# KiCad board Si5351ABreakout_panel.kicad_pcb (continued)
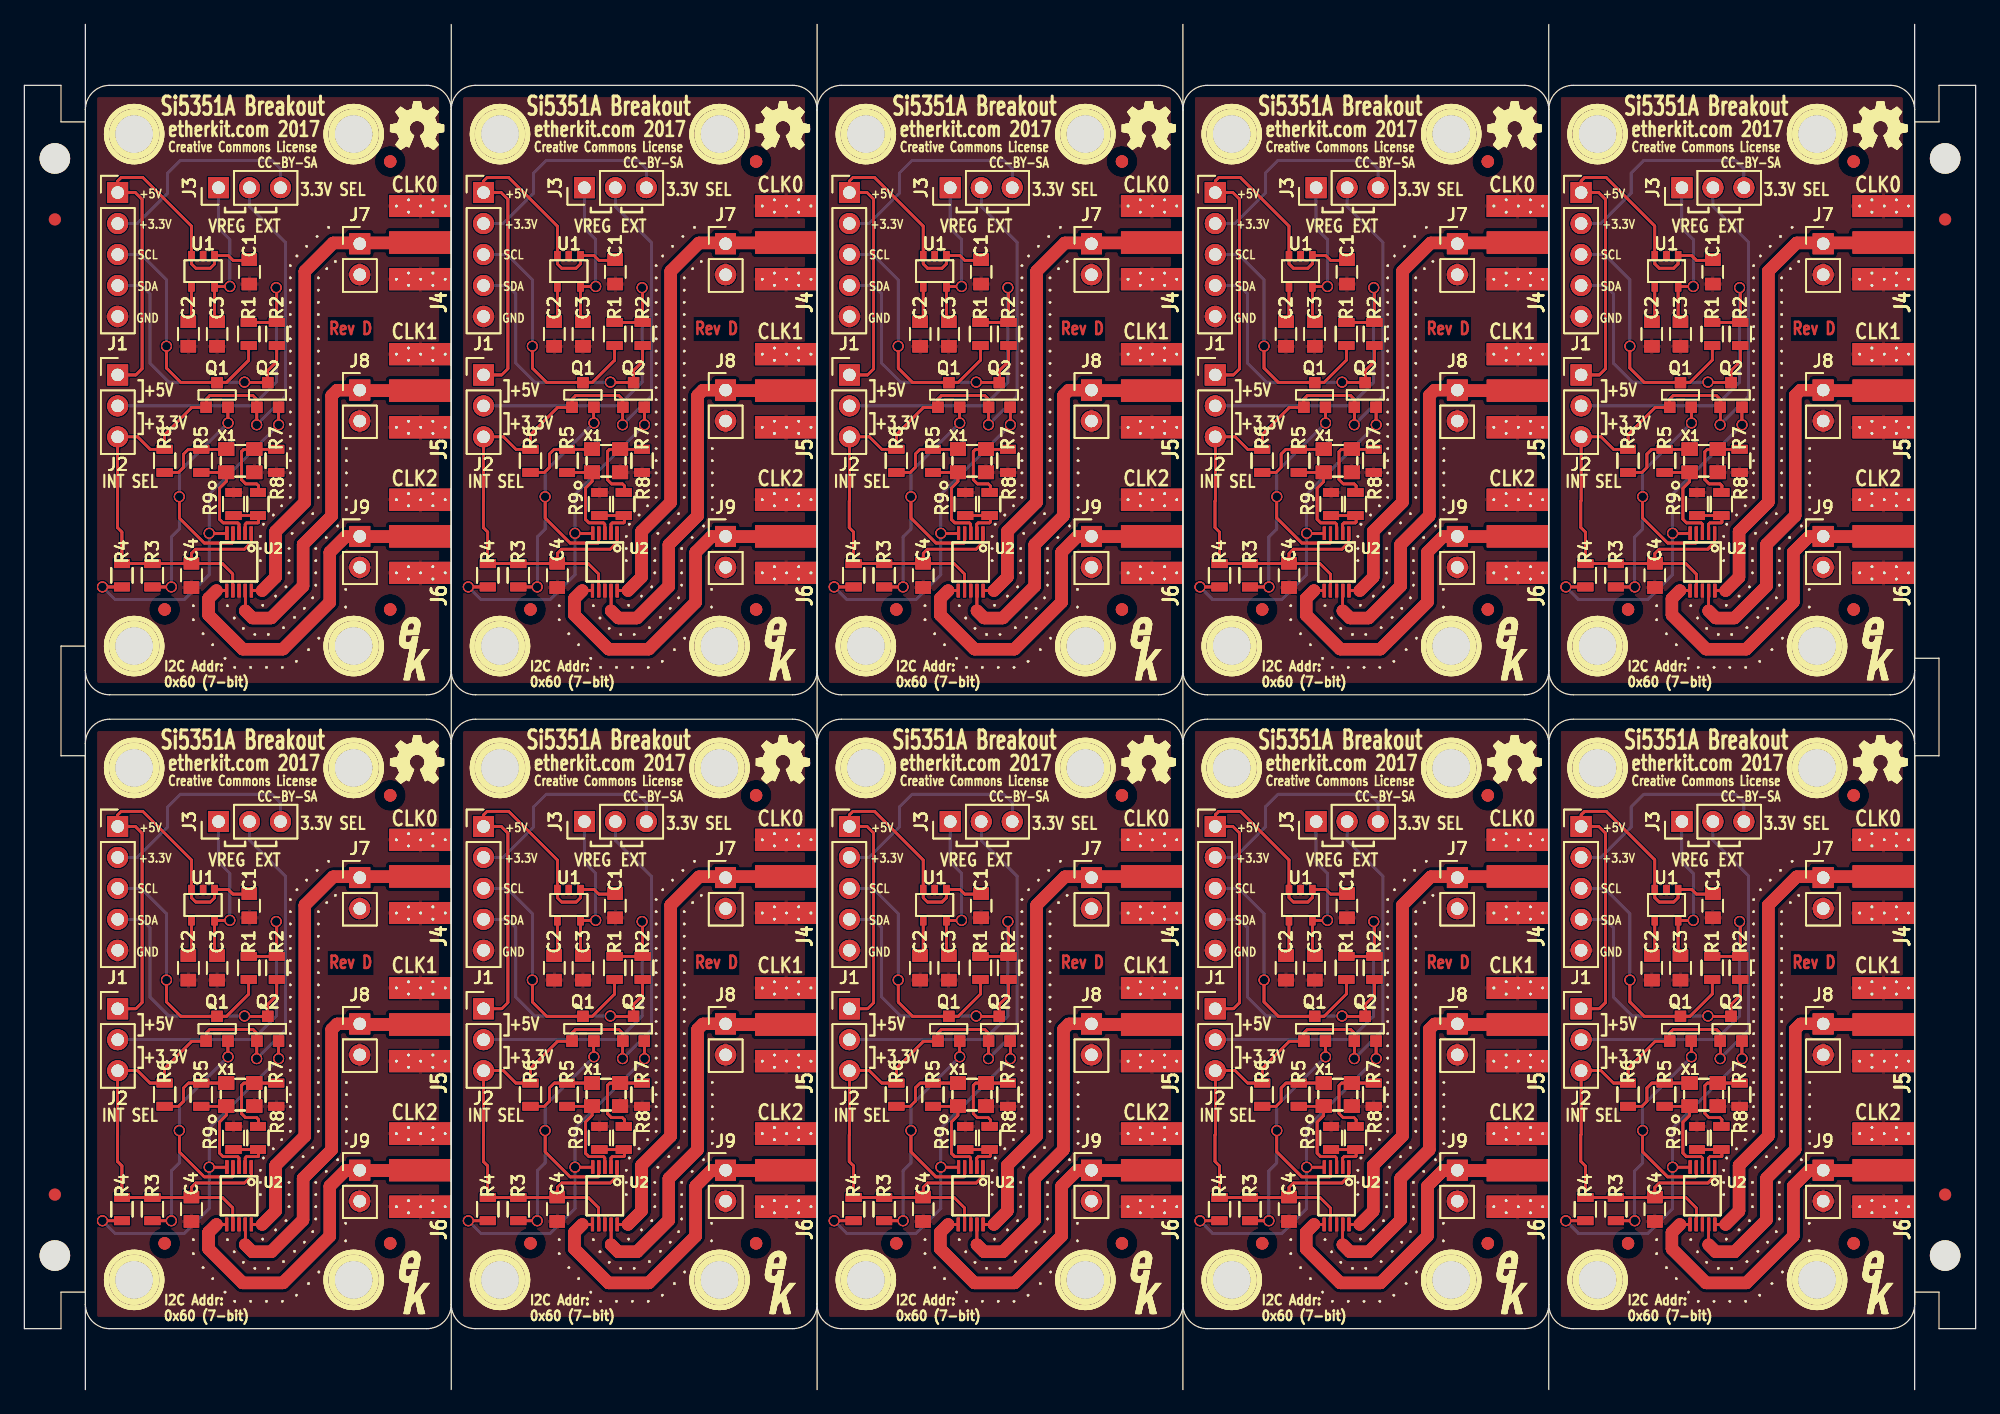
[diagram p0: board, top side]
## Routing (per net, layer and track width the routed paths; a pad name or vN(x,y) marks a point on that pad's centre or on a via; arc(x,y) is an arc through that point) (continued)
Net-(Q2-Pad1): length 1167.4
  Top w0.2: 6.4,65.85 v1(6.4,65.85) ; 6.4,65.85 8,65.85 ; 6.4,65.85 v1(6.4,65.85) ; 6.4,65.85 v1(6.4,65.85) ; 6.4,65.85 8,65.85 ; 6.4,65.85 8,65.85 ; 6.4,65.85 v1(6.4,65.85) ; 6.4,65.85 8,65.85 ; 36.4,65.85 v1(36.4,65.85) ; 36.4,65.85 38,65.85 ; 36.4,65.85 v1(36.4,65.85) ; 36.4,65.85 v1(36.4,65.85) ; 36.4,65.85 38,65.85 ; 36.4,65.85 38,65.85 ; 36.4,65.85 v1(36.4,65.85) ; 36.4,65.85 38,65.85 ; 66.4,65.85 v1(66.4,65.85) ; 66.4,65.85 68,65.85 ; 66.4,65.85 v1(66.4,65.85) ; 66.4,65.85 v1(66.4,65.85) ; 66.4,65.85 68,65.85 ; 66.4,65.85 68,65.85 ; 66.4,65.85 v1(66.4,65.85) ; 66.4,65.85 68,65.85 ; 96.4,65.85 v1(96.4,65.85) ; 96.4,65.85 98,65.85 ; 96.4,65.85 v1(96.4,65.85) ; 96.4,65.85 v1(96.4,65.85) ; 96.4,65.85 98,65.85 ; 96.4,65.85 98,65.85 ; 96.4,65.85 v1(96.4,65.85) ; 96.4,65.85 98,65.85 ; 126.4,65.85 v1(126.4,65.85) ; 126.4,65.85 128,65.85 ; 126.4,65.85 v1(126.4,65.85) ; 126.4,65.85 v1(126.4,65.85) ; 126.4,65.85 128,65.85 ; 126.4,65.85 128,65.85 ; 126.4,65.85 v1(126.4,65.85) ; 126.4,65.85 128,65.85 ; v1(15.15,70.25) U2.5 ; v1(15.15,70.25) U2.5 ; v1(15.15,70.25) U2.5 ; v1(15.15,70.25) U2.5 ; v1(45.15,70.25) U2#2.5 ; v1(45.15,70.25) U2#2.5 ; v1(45.15,70.25) U2#2.5 ; v1(45.15,70.25) U2#2.5 ; v1(75.15,70.25) U2#3.5 ; v1(75.15,70.25) U2#3.5 ; v1(75.15,70.25) U2#3.5 ; v1(75.15,70.25) U2#3.5 ; v1(105.15,70.25) U2#4.5 ; v1(105.15,70.25) U2#4.5 ; v1(105.15,70.25) U2#4.5 ; v1(105.15,70.25) U2#4.5 ; v1(135.15,70.25) U2#5.5 ; v1(135.15,70.25) U2#5.5 ; v1(135.15,70.25) U2#5.5 ; v1(135.15,70.25) U2#5.5 ; 20.84,79.16 v1(20.85,79.15) ; 20.84,79.16 Q2.1 ; 20.84,79.16 v1(20.85,79.15) ; 20.84,79.16 v1(20.85,79.15) ; 20.84,79.16 Q2.1 ; 20.84,79.16 Q2.1 ; 20.84,79.16 v1(20.85,79.15) ; 20.84,79.16 Q2.1 ; 50.84,79.16 v1(50.85,79.15) ; 50.84,79.16 Q2#2.1 ; 50.84,79.16 v1(50.85,79.15) ; 50.84,79.16 v1(50.85,79.15) ; 50.84,79.16 Q2#2.1 ; 50.84,79.16 Q2#2.1 ; 50.84,79.16 v1(50.85,79.15) ; 50.84,79.16 Q2#2.1 ; 80.84,79.16 v1(80.85,79.15) ; 80.84,79.16 Q2#3.1 ; 80.84,79.16 v1(80.85,79.15) ; 80.84,79.16 v1(80.85,79.15) ; 80.84,79.16 Q2#3.1 ; 80.84,79.16 Q2#3.1 ; 80.84,79.16 v1(80.85,79.15) ; 80.84,79.16 Q2#3.1 ; 110.84,79.16 v1(110.85,79.15) ; 110.84,79.16 Q2#4.1 ; 110.84,79.16 v1(110.85,79.15) ; 110.84,79.16 v1(110.85,79.15) ; 110.84,79.16 Q2#4.1 ; 110.84,79.16 Q2#4.1 ; 110.84,79.16 v1(110.85,79.15) ; 110.84,79.16 Q2#4.1 ; 140.84,79.16 v1(140.85,79.15) ; 140.84,79.16 Q2#5.1 ; 140.84,79.16 v1(140.85,79.15) ; 140.84,79.16 v1(140.85,79.15) ; 140.84,79.16 Q2#5.1 ; 140.84,79.16 Q2#5.1 ; 140.84,79.16 v1(140.85,79.15) ; 140.84,79.16 Q2#5.1 ; 126.4,13.85 v1(126.4,13.85) ; 126.4,13.85 v1(126.4,13.85) ; 126.4,13.85 v1(126.4,13.85) ; 126.4,13.85 v1(126.4,13.85) ; 126.4,13.85 128,13.85 ; 126.4,13.85 128,13.85 ; 126.4,13.85 128,13.85 ; 126.4,13.85 128,13.85 ; v1(135.15,18.25) U2#37.5 ; v1(135.15,18.25) U2#37.5 ; v1(135.15,18.25) U2#37.5 ; v1(135.15,18.25) U2#37.5 ; Q2#33.1 140.84,27.16 ; Q2#33.1 140.84,27.16 ; Q2#33.1 140.84,27.16 ; Q2#33.1 140.84,27.16 ; 140.84,27.16 v1(140.85,27.15) ; 140.84,27.16 v1(140.85,27.15) ; 140.84,27.16 v1(140.85,27.15) ; 140.84,27.16 v1(140.85,27.15) ; Q2#37.1 110.84,27.16 ; Q2#37.1 110.84,27.16 ; Q2#37.1 110.84,27.16 ; Q2#37.1 110.84,27.16 ; 110.84,27.16 v1(110.85,27.15) ; 110.84,27.16 v1(110.85,27.15) ; 110.84,27.16 v1(110.85,27.15) ; 110.84,27.16 v1(110.85,27.15) ; 98,13.85 96.4,13.85 ; 98,13.85 96.4,13.85 ; 98,13.85 96.4,13.85 ; 98,13.85 96.4,13.85 ; 96.4,13.85 v1(96.4,13.85) ; 96.4,13.85 v1(96.4,13.85) ; 96.4,13.85 v1(96.4,13.85) ; 96.4,13.85 v1(96.4,13.85) ; v1(105.15,18.25) U2#33.5 ; v1(105.15,18.25) U2#33.5 ; v1(105.15,18.25) U2#33.5 ; v1(105.15,18.25) U2#33.5 ; v1(75.15,18.25) U2#21.5 ; v1(75.15,18.25) U2#21.5 ; v1(75.15,18.25) U2#21.5 ; v1(75.15,18.25) U2#21.5 ; 80.84,27.16 v1(80.85,27.15) ; 80.84,27.16 Q2#21.1 ; 80.84,27.16 Q2#21.1 ; 80.84,27.16 Q2#21.1 ; 80.84,27.16 Q2#21.1 ; 80.84,27.16 v1(80.85,27.15) ; 80.84,27.16 v1(80.85,27.15) ; 80.84,27.16 v1(80.85,27.15) ; 50.84,27.16 v1(50.85,27.15) ; 50.84,27.16 v1(50.85,27.15) ; 50.84,27.16 Q2#29.1 ; 50.84,27.16 Q2#29.1 ; 50.84,27.16 v1(50.85,27.15) ; 50.84,27.16 Q2#29.1 ; 50.84,27.16 Q2#29.1 ; 50.84,27.16 v1(50.85,27.15) ; 68,13.85 66.4,13.85 ; 68,13.85 66.4,13.85 ; 68,13.85 66.4,13.85 ; 68,13.85 66.4,13.85 ; 66.4,13.85 v1(66.4,13.85) ; 66.4,13.85 v1(66.4,13.85) ; 66.4,13.85 v1(66.4,13.85) ; 66.4,13.85 v1(66.4,13.85) ; v1(45.15,18.25) U2#26.5 ; v1(45.15,18.25) U2#26.5 ; v1(45.15,18.25) U2#26.5 ; v1(45.15,18.25) U2#26.5 ; Q2#23.1 20.84,27.16 ; Q2#23.1 20.84,27.16 ; Q2#23.1 20.84,27.16 ; Q2#23.1 20.84,27.16 ; 20.84,27.16 v1(20.85,27.15) ; 20.84,27.16 v1(20.85,27.15) ; 20.84,27.16 v1(20.85,27.15) ; 20.84,27.16 v1(20.85,27.15) ; 38,13.85 36.4,13.85 ; 38,13.85 36.4,13.85 ; 38,13.85 36.4,13.85 ; 38,13.85 36.4,13.85 ; 36.4,13.85 v1(36.4,13.85) ; 36.4,13.85 v1(36.4,13.85) ; 36.4,13.85 v1(36.4,13.85) ; 36.4,13.85 v1(36.4,13.85) ; 8,13.85 6.4,13.85 ; 8,13.85 6.4,13.85 ; 8,13.85 6.4,13.85 ; 8,13.85 6.4,13.85 ; 6.4,13.85 v1(6.4,13.85) ; 6.4,13.85 v1(6.4,13.85) ; 6.4,13.85 v1(6.4,13.85) ; 6.4,13.85 v1(6.4,13.85) ; v1(15.15,18.25) U2#25.5 ; v1(15.15,18.25) U2#25.5 ; v1(15.15,18.25) U2#25.5 ; v1(15.15,18.25) U2#25.5
  Bottom w0.2: v1(6.4,65.85) 7.45,64.8 ; v1(6.4,65.85) 7.45,64.8 ; v1(6.4,65.85) 7.45,64.8 ; v1(6.4,65.85) 7.45,64.8 ; 7.45,64.8 13.1,64.8 ; 7.45,64.8 13.1,64.8 ; 7.45,64.8 13.1,64.8 ; 7.45,64.8 13.1,64.8 ; v1(36.4,65.85) 37.45,64.8 ; v1(36.4,65.85) 37.45,64.8 ; v1(36.4,65.85) 37.45,64.8 ; v1(36.4,65.85) 37.45,64.8 ; 37.45,64.8 43.1,64.8 ; 37.45,64.8 43.1,64.8 ; 37.45,64.8 43.1,64.8 ; 37.45,64.8 43.1,64.8 ; v1(66.4,65.85) 67.45,64.8 ; v1(66.4,65.85) 67.45,64.8 ; v1(66.4,65.85) 67.45,64.8 ; v1(66.4,65.85) 67.45,64.8 ; 67.45,64.8 73.1,64.8 ; 67.45,64.8 73.1,64.8 ; 67.45,64.8 73.1,64.8 ; 67.45,64.8 73.1,64.8 ; v1(96.4,65.85) 97.45,64.8 ; v1(96.4,65.85) 97.45,64.8 ; v1(96.4,65.85) 97.45,64.8 ; v1(96.4,65.85) 97.45,64.8 ; 97.45,64.8 103.1,64.8 ; 97.45,64.8 103.1,64.8 ; 97.45,64.8 103.1,64.8 ; 97.45,64.8 103.1,64.8 ; v1(126.4,65.85) 127.45,64.8 ; v1(126.4,65.85) 127.45,64.8 ; v1(126.4,65.85) 127.45,64.8 ; v1(126.4,65.85) 127.45,64.8 ; 127.45,64.8 133.1,64.8 ; 127.45,64.8 133.1,64.8 ; 127.45,64.8 133.1,64.8 ; 127.45,64.8 133.1,64.8 ; 13.1,64.8 15.15,66.85 ; 13.1,64.8 15.15,66.85 ; 13.1,64.8 15.15,66.85 ; 13.1,64.8 15.15,66.85 ; 43.1,64.8 45.15,66.85 ; 43.1,64.8 45.15,66.85 ; 43.1,64.8 45.15,66.85 ; 43.1,64.8 45.15,66.85 ; 73.1,64.8 75.15,66.85 ; 73.1,64.8 75.15,66.85 ; 73.1,64.8 75.15,66.85 ; 73.1,64.8 75.15,66.85 ; 103.1,64.8 105.15,66.85 ; 103.1,64.8 105.15,66.85 ; 103.1,64.8 105.15,66.85 ; 103.1,64.8 105.15,66.85 ; 133.1,64.8 135.15,66.85 ; 133.1,64.8 135.15,66.85 ; 133.1,64.8 135.15,66.85 ; 133.1,64.8 135.15,66.85 ; 15.15,66.85 v1(15.15,70.25) ; 15.15,66.85 v1(15.15,70.25) ; 15.15,66.85 v1(15.15,70.25) ; 15.15,66.85 v1(15.15,70.25) ; 45.15,66.85 v1(45.15,70.25) ; 45.15,66.85 v1(45.15,70.25) ; 45.15,66.85 v1(45.15,70.25) ; 45.15,66.85 v1(45.15,70.25) ; 75.15,66.85 v1(75.15,70.25) ; 75.15,66.85 v1(75.15,70.25) ; 75.15,66.85 v1(75.15,70.25) ; 75.15,66.85 v1(75.15,70.25) ; 105.15,66.85 v1(105.15,70.25) ; 105.15,66.85 v1(105.15,70.25) ; 105.15,66.85 v1(105.15,70.25) ; 105.15,66.85 v1(105.15,70.25) ; 135.15,66.85 v1(135.15,70.25) ; 135.15,66.85 v1(135.15,70.25) ; 135.15,66.85 v1(135.15,70.25) ; 135.15,66.85 v1(135.15,70.25) ; v1(15.15,70.25) 15.15,73.45 ; v1(15.15,70.25) 15.15,73.45 ; v1(15.15,70.25) 15.15,73.45 ; v1(15.15,70.25) 15.15,73.45 ; v1(45.15,70.25) 45.15,73.45 ; v1(45.15,70.25) 45.15,73.45 ; v1(45.15,70.25) 45.15,73.45 ; v1(45.15,70.25) 45.15,73.45 ; v1(75.15,70.25) 75.15,73.45 ; v1(75.15,70.25) 75.15,73.45 ; v1(75.15,70.25) 75.15,73.45 ; v1(75.15,70.25) 75.15,73.45 ; v1(105.15,70.25) 105.15,73.45 ; v1(105.15,70.25) 105.15,73.45 ; v1(105.15,70.25) 105.15,73.45 ; v1(105.15,70.25) 105.15,73.45 ; v1(135.15,70.25) 135.15,73.45 ; v1(135.15,70.25) 135.15,73.45 ; v1(135.15,70.25) 135.15,73.45 ; v1(135.15,70.25) 135.15,73.45 ; v1(20.85,79.15) 15.15,73.45 ; v1(20.85,79.15) 15.15,73.45 ; v1(20.85,79.15) 15.15,73.45 ; v1(20.85,79.15) 15.15,73.45 ; v1(50.85,79.15) 45.15,73.45 ; v1(50.85,79.15) 45.15,73.45 ; v1(50.85,79.15) 45.15,73.45 ; v1(50.85,79.15) 45.15,73.45 ; v1(80.85,79.15) 75.15,73.45 ; v1(80.85,79.15) 75.15,73.45 ; v1(80.85,79.15) 75.15,73.45 ; v1(80.85,79.15) 75.15,73.45 ; v1(110.85,79.15) 105.15,73.45 ; v1(110.85,79.15) 105.15,73.45 ; v1(110.85,79.15) 105.15,73.45 ; v1(110.85,79.15) 105.15,73.45 ; v1(140.85,79.15) 135.15,73.45 ; v1(140.85,79.15) 135.15,73.45 ; v1(140.85,79.15) 135.15,73.45 ; v1(140.85,79.15) 135.15,73.45 ; v1(126.4,13.85) 127.45,12.8 ; v1(126.4,13.85) 127.45,12.8 ; v1(126.4,13.85) 127.45,12.8 ; v1(126.4,13.85) 127.45,12.8 ; 127.45,12.8 133.1,12.8 ; 127.45,12.8 133.1,12.8 ; 127.45,12.8 133.1,12.8 ; 127.45,12.8 133.1,12.8 ; 133.1,12.8 135.15,14.85 ; 133.1,12.8 135.15,14.85 ; 133.1,12.8 135.15,14.85 ; 133.1,12.8 135.15,14.85 ; 135.15,14.85 v1(135.15,18.25) ; 135.15,14.85 v1(135.15,18.25) ; 135.15,14.85 v1(135.15,18.25) ; 135.15,14.85 v1(135.15,18.25) ; v1(135.15,18.25) 135.15,21.45 ; v1(135.15,18.25) 135.15,21.45 ; v1(135.15,18.25) 135.15,21.45 ; v1(135.15,18.25) 135.15,21.45 ; v1(140.85,27.15) 135.15,21.45 ; v1(140.85,27.15) 135.15,21.45 ; v1(140.85,27.15) 135.15,21.45 ; v1(140.85,27.15) 135.15,21.45 ; 103.1,12.8 105.15,14.85 ; 103.1,12.8 105.15,14.85 ; 103.1,12.8 105.15,14.85 ; 103.1,12.8 105.15,14.85 ; 103.1,12.8 97.45,12.8 ; 103.1,12.8 97.45,12.8 ; 103.1,12.8 97.45,12.8 ; 103.1,12.8 97.45,12.8 ; 105.15,14.85 v1(105.15,18.25) ; 105.15,14.85 v1(105.15,18.25) ; 105.15,14.85 v1(105.15,18.25) ; 105.15,14.85 v1(105.15,18.25) ; 97.45,12.8 v1(96.4,13.85) ; 97.45,12.8 v1(96.4,13.85) ; 97.45,12.8 v1(96.4,13.85) ; 97.45,12.8 v1(96.4,13.85) ; v1(105.15,18.25) 105.15,21.45 ; v1(105.15,18.25) 105.15,21.45 ; v1(105.15,18.25) 105.15,21.45 ; v1(105.15,18.25) 105.15,21.45 ; v1(110.85,27.15) 105.15,21.45 ; v1(110.85,27.15) 105.15,21.45 ; v1(110.85,27.15) 105.15,21.45 ; v1(110.85,27.15) 105.15,21.45 ; 67.45,12.8 73.1,12.8 ; 67.45,12.8 73.1,12.8 ; 67.45,12.8 73.1,12.8 ; 67.45,12.8 73.1,12.8 ; 67.45,12.8 v1(66.4,13.85) ; 67.45,12.8 v1(66.4,13.85) ; 67.45,12.8 v1(66.4,13.85) ; 67.45,12.8 v1(66.4,13.85) ; 73.1,12.8 75.15,14.85 ; 73.1,12.8 75.15,14.85 ; 73.1,12.8 75.15,14.85 ; 73.1,12.8 75.15,14.85 ; 75.15,14.85 v1(75.15,18.25) ; 75.15,14.85 v1(75.15,18.25) ; 75.15,14.85 v1(75.15,18.25) ; 75.15,14.85 v1(75.15,18.25) ; v1(75.15,18.25) 75.15,21.45 ; v1(75.15,18.25) 75.15,21.45 ; v1(75.15,18.25) 75.15,21.45 ; v1(75.15,18.25) 75.15,21.45 ; 75.15,21.45 v1(80.85,27.15) ; 75.15,21.45 v1(80.85,27.15) ; 75.15,21.45 v1(80.85,27.15) ; 75.15,21.45 v1(80.85,27.15) ; 45.15,14.85 v1(45.15,18.25) ; 45.15,14.85 43.1,12.8 ; 45.15,14.85 43.1,12.8 ; 45.15,14.85 v1(45.15,18.25) ; 45.15,14.85 43.1,12.8 ; 45.15,14.85 v1(45.15,18.25) ; 45.15,14.85 v1(45.15,18.25) ; 45.15,14.85 43.1,12.8 ; v1(45.15,18.25) 45.15,21.45 ; v1(45.15,18.25) 45.15,21.45 ; v1(45.15,18.25) 45.15,21.45 ; v1(45.15,18.25) 45.15,21.45 ; 43.1,12.8 37.45,12.8 ; 43.1,12.8 37.45,12.8 ; 43.1,12.8 37.45,12.8 ; 43.1,12.8 37.45,12.8 ; 45.15,21.45 v1(50.85,27.15) ; 45.15,21.45 v1(50.85,27.15) ; 45.15,21.45 v1(50.85,27.15) ; 45.15,21.45 v1(50.85,27.15) ; 37.45,12.8 v1(36.4,13.85) ; 37.45,12.8 v1(36.4,13.85) ; 37.45,12.8 v1(36.4,13.85) ; 37.45,12.8 v1(36.4,13.85) ; 7.45,12.8 13.1,12.8 ; 7.45,12.8 v1(6.4,13.85) ; 7.45,12.8 13.1,12.8 ; 7.45,12.8 13.1,12.8 ; 7.45,12.8 v1(6.4,13.85) ; 7.45,12.8 v1(6.4,13.85) ; 7.45,12.8 13.1,12.8 ; 7.45,12.8 v1(6.4,13.85) ; 13.1,12.8 15.15,14.85 ; 13.1,12.8 15.15,14.85 ; 13.1,12.8 15.15,14.85 ; 13.1,12.8 15.15,14.85 ; 15.15,14.85 v1(15.15,18.25) ; 15.15,14.85 v1(15.15,18.25) ; 15.15,14.85 v1(15.15,18.25) ; 15.15,14.85 v1(15.15,18.25) ; v1(15.15,18.25) 15.15,21.45 ; v1(15.15,18.25) 15.15,21.45 ; v1(15.15,18.25) 15.15,21.45 ; v1(15.15,18.25) 15.15,21.45 ; 15.15,21.45 v1(20.85,27.15) ; 15.15,21.45 v1(20.85,27.15) ; 15.15,21.45 v1(20.85,27.15) ; 15.15,21.45 v1(20.85,27.15)
Net-(R5-Pad1): length 259.3
  Top w0.2: 12.65,75.25 13.05,75.65 ; 12.65,75.25 R6.2 ; 12.65,75.25 13.05,75.65 ; 12.65,75.25 13.05,75.65 ; 12.65,75.25 R6.2 ; 12.65,75.25 R6.2 ; 12.65,75.25 13.05,75.65 ; 12.65,75.25 R6.2 ; 13.05,75.65 13.05,76.75 ; 13.05,75.65 13.05,76.75 ; 13.05,75.65 13.05,76.75 ; 13.05,75.65 13.05,76.75 ; 42.65,75.25 43.05,75.65 ; 42.65,75.25 R6#2.2 ; 42.65,75.25 43.05,75.65 ; 42.65,75.25 43.05,75.65 ; 42.65,75.25 R6#2.2 ; 42.65,75.25 R6#2.2 ; 42.65,75.25 43.05,75.65 ; 42.65,75.25 R6#2.2 ; 43.05,75.65 43.05,76.75 ; 43.05,75.65 43.05,76.75 ; 43.05,75.65 43.05,76.75 ; 43.05,75.65 43.05,76.75 ; 72.65,75.25 73.05,75.65 ; 72.65,75.25 R6#3.2 ; 72.65,75.25 73.05,75.65 ; 72.65,75.25 73.05,75.65 ; 72.65,75.25 R6#3.2 ; 72.65,75.25 R6#3.2 ; 72.65,75.25 73.05,75.65 ; 72.65,75.25 R6#3.2 ; 73.05,75.65 73.05,76.75 ; 73.05,75.65 73.05,76.75 ; 73.05,75.65 73.05,76.75 ; 73.05,75.65 73.05,76.75 ; 102.65,75.25 103.05,75.65 ; 102.65,75.25 R6#4.2 ; 102.65,75.25 103.05,75.65 ; 102.65,75.25 103.05,75.65 ; 102.65,75.25 R6#4.2 ; 102.65,75.25 R6#4.2 ; 102.65,75.25 103.05,75.65 ; 102.65,75.25 R6#4.2 ; 103.05,75.65 103.05,76.75 ; 103.05,75.65 103.05,76.75 ; 103.05,75.65 103.05,76.75 ; 103.05,75.65 103.05,76.75 ; 132.65,75.25 133.05,75.65 ; 132.65,75.25 R6#5.2 ; 132.65,75.25 133.05,75.65 ; 132.65,75.25 133.05,75.65 ; 132.65,75.25 R6#5.2 ; 132.65,75.25 R6#5.2 ; 132.65,75.25 133.05,75.65 ; 132.65,75.25 R6#5.2 ; 133.05,75.65 133.05,76.75 ; 133.05,75.65 133.05,76.75 ; 133.05,75.65 133.05,76.75 ; 133.05,75.65 133.05,76.75 ; 13.05,76.75 13.45,77.15 ; 13.05,76.75 13.45,77.15 ; 13.05,76.75 13.45,77.15 ; 13.05,76.75 13.45,77.15 ; 43.05,76.75 43.45,77.15 ; 43.05,76.75 43.45,77.15 ; 43.05,76.75 43.45,77.15 ; 43.05,76.75 43.45,77.15 ; 73.05,76.75 73.45,77.15 ; 73.05,76.75 73.45,77.15 ; 73.05,76.75 73.45,77.15 ; 73.05,76.75 73.45,77.15 ; 103.05,76.75 103.45,77.15 ; 103.05,76.75 103.45,77.15 ; 103.05,76.75 103.45,77.15 ; 103.05,76.75 103.45,77.15 ; 133.05,76.75 133.45,77.15 ; 133.05,76.75 133.45,77.15 ; 133.05,76.75 133.45,77.15 ; 133.05,76.75 133.45,77.15 ; 13.45,77.15 R5.1 ; 13.45,77.15 R5.1 ; 13.45,77.15 R5.1 ; 13.45,77.15 R5.1 ; 43.45,77.15 R5#2.1 ; 43.45,77.15 R5#2.1 ; 43.45,77.15 R5#2.1 ; 43.45,77.15 R5#2.1 ; 73.45,77.15 R5#3.1 ; 73.45,77.15 R5#3.1 ; 73.45,77.15 R5#3.1 ; 73.45,77.15 R5#3.1 ; 103.45,77.15 R5#4.1 ; 103.45,77.15 R5#4.1 ; 103.45,77.15 R5#4.1 ; 103.45,77.15 R5#4.1 ; 133.45,77.15 R5#5.1 ; 133.45,77.15 R5#5.1 ; 133.45,77.15 R5#5.1 ; 133.45,77.15 R5#5.1 ; R5.1 15.35,77.15 ; R5.1 15.35,77.15 ; R5.1 15.35,77.15 ; R5.1 15.35,77.15 ; R5#2.1 45.35,77.15 ; R5#2.1 45.35,77.15 ; R5#2.1 45.35,77.15 ; R5#2.1 45.35,77.15 ; R5#3.1 75.35,77.15 ; R5#3.1 75.35,77.15 ; R5#3.1 75.35,77.15 ; R5#3.1 75.35,77.15 ; R5#4.1 105.35,77.15 ; R5#4.1 105.35,77.15 ; R5#4.1 105.35,77.15 ; R5#4.1 105.35,77.15 ; R5#5.1 135.35,77.15 ; R5#5.1 135.35,77.15 ; R5#5.1 135.35,77.15 ; R5#5.1 135.35,77.15 ; 15.35,77.15 X1.4 ; 15.35,77.15 X1.4 ; 15.35,77.15 X1.4 ; 15.35,77.15 X1.4 ; 45.35,77.15 X1#2.4 ; 45.35,77.15 X1#2.4 ; 45.35,77.15 X1#2.4 ; 45.35,77.15 X1#2.4 ; 75.35,77.15 X1#3.4 ; 75.35,77.15 X1#3.4 ; 75.35,77.15 X1#3.4 ; 75.35,77.15 X1#3.4 ; 105.35,77.15 X1#4.4 ; 105.35,77.15 X1#4.4 ; 105.35,77.15 X1#4.4 ; 105.35,77.15 X1#4.4 ; 135.35,77.15 X1#5.4 ; 135.35,77.15 X1#5.4 ; 135.35,77.15 X1#5.4 ; 135.35,77.15 X1#5.4 ; 133.05,23.65 133.05,24.75 ; 133.05,23.65 133.05,24.75 ; 133.05,23.65 132.65,23.25 ; 133.05,23.65 132.65,23.25 ; 133.05,23.65 133.05,24.75 ; 133.05,23.65 132.65,23.25 ; 133.05,23.65 133.05,24.75 ; 133.05,23.65 132.65,23.25 ; 133.05,24.75 133.45,25.15 ; 133.05,24.75 133.45,25.15 ; 133.05,24.75 133.45,25.15 ; 133.05,24.75 133.45,25.15 ; 132.65,23.25 R6#34.2 ; 132.65,23.25 R6#34.2 ; 132.65,23.25 R6#34.2 ; 132.65,23.25 R6#34.2 ; 133.45,25.15 R5#33.1 ; 133.45,25.15 R5#33.1 ; 133.45,25.15 R5#33.1 ; 133.45,25.15 R5#33.1 ; R5#33.1 135.35,25.15 ; R5#33.1 135.35,25.15 ; R5#33.1 135.35,25.15 ; R5#33.1 135.35,25.15 ; 135.35,25.15 X1#33.4 ; 135.35,25.15 X1#33.4 ; 135.35,25.15 X1#33.4 ; 135.35,25.15 X1#33.4 ; R5#37.1 105.35,25.15 ; R5#37.1 105.35,25.15 ; R5#37.1 105.35,25.15 ; R5#37.1 105.35,25.15 ; R5#37.1 103.45,25.15 ; R5#37.1 103.45,25.15 ; R5#37.1 103.45,25.15 ; R5#37.1 103.45,25.15 ; 105.35,25.15 X1#37.4 ; 105.35,25.15 X1#37.4 ; 105.35,25.15 X1#37.4 ; 105.35,25.15 X1#37.4 ; 103.05,24.75 103.45,25.15 ; 103.05,24.75 103.45,25.15 ; 103.05,24.75 103.45,25.15 ; 103.05,24.75 103.45,25.15 ; 103.05,24.75 103.05,23.65 ; 103.05,24.75 103.05,23.65 ; 103.05,24.75 103.05,23.65 ; 103.05,24.75 103.05,23.65 ; 102.65,23.25 103.05,23.65 ; 102.65,23.25 103.05,23.65 ; 102.65,23.25 103.05,23.65 ; 102.65,23.25 103.05,23.65 ; 102.65,23.25 R6#33.2 ; 102.65,23.25 R6#33.2 ; 102.65,23.25 R6#33.2 ; 102.65,23.25 R6#33.2 ; R5#21.1 75.35,25.15 ; R5#21.1 75.35,25.15 ; R5#21.1 75.35,25.15 ; R5#21.1 75.35,25.15 ; R5#21.1 73.45,25.15 ; R5#21.1 73.45,25.15 ; R5#21.1 73.45,25.15 ; R5#21.1 73.45,25.15 ; 75.35,25.15 X1#21.4 ; 75.35,25.15 X1#21.4 ; 75.35,25.15 X1#21.4 ; 75.35,25.15 X1#21.4 ; 73.05,23.65 73.05,24.75 ; 73.05,23.65 73.05,24.75 ; 73.05,23.65 73.05,24.75 ; 73.05,23.65 73.05,24.75 ; 73.05,23.65 72.65,23.25 ; 73.05,23.65 72.65,23.25 ; 73.05,23.65 72.65,23.25 ; 73.05,23.65 72.65,23.25 ; 73.05,24.75 73.45,25.15 ; 73.05,24.75 73.45,25.15 ; 73.05,24.75 73.45,25.15 ; 73.05,24.75 73.45,25.15 ; 72.65,23.25 R6#21.2 ; 72.65,23.25 R6#21.2 ; 72.65,23.25 R6#21.2 ; 72.65,23.25 R6#21.2 ; 43.45,25.15 R5#29.1 ; 43.45,25.15 R5#29.1 ; 43.45,25.15 R5#29.1 ; 43.45,25.15 R5#29.1 ; 43.45,25.15 43.05,24.75 ; 43.45,25.15 43.05,24.75 ; 43.45,25.15 43.05,24.75 ; 43.45,25.15 43.05,24.75 ; R5#29.1 45.35,25.15 ; R5#29.1 45.35,25.15 ; R5#29.1 45.35,25.15 ; R5#29.1 45.35,25.15 ; 42.65,23.25 43.05,23.65 ; 42.65,23.25 R6#29.2 ; 42.65,23.25 R6#29.2 ; 42.65,23.25 R6#29.2 ; 42.65,23.25 R6#29.2 ; 42.65,23.25 43.05,23.65 ; 42.65,23.25 43.05,23.65 ; 42.65,23.25 43.05,23.65 ; 43.05,23.65 43.05,24.75 ; 43.05,23.65 43.05,24.75 ; 43.05,23.65 43.05,24.75 ; 43.05,23.65 43.05,24.75 ; 45.35,25.15 X1#29.4 ; 45.35,25.15 X1#29.4 ; 45.35,25.15 X1#29.4 ; 45.35,25.15 X1#29.4 ; R5#22.1 15.35,25.15 ; R5#22.1 15.35,25.15 ; R5#22.1 15.35,25.15 ; R5#22.1 15.35,25.15 ; R5#22.1 13.45,25.15 ; R5#22.1 13.45,25.15 ; R5#22.1 13.45,25.15 ; R5#22.1 13.45,25.15 ; 15.35,25.15 X1#22.4 ; 15.35,25.15 X1#22.4 ; 15.35,25.15 X1#22.4 ; 15.35,25.15 X1#22.4 ; 13.05,23.65 13.05,24.75 ; 13.05,23.65 13.05,24.75 ; 13.05,23.65 13.05,24.75 ; 13.05,23.65 13.05,24.75 ; 13.05,23.65 12.65,23.25 ; 13.05,23.65 12.65,23.25 ; 13.05,23.65 12.65,23.25 ; 13.05,23.65 12.65,23.25 ; 13.05,24.75 13.45,25.15 ; 13.05,24.75 13.45,25.15 ; 13.05,24.75 13.45,25.15 ; 13.05,24.75 13.45,25.15 ; 12.65,23.25 R6#22.2 ; 12.65,23.25 R6#22.2 ; 12.65,23.25 R6#22.2 ; 12.65,23.25 R6#22.2
Net-(R5-Pad2): length 345.7
  Top w0.2: 16.55,74.5 X1.1 ; 16.55,74.5 16,73.95 ; 16.55,74.5 16,73.95 ; 16.55,74.5 X1.1 ; 16.55,74.5 X1.1 ; 16.55,74.5 16,73.95 ; 16.55,74.5 X1.1 ; 16.55,74.5 16,73.95 ; X1.1 R5.2 ; X1.1 R5.2 ; X1.1 R5.2 ; X1.1 R5.2 ; 16,71.4 16,73.95 ; 16,71.4 16.3,71.1 ; 16,71.4 16.3,71.1 ; 16,71.4 16,73.95 ; 16,71.4 16,73.95 ; 16,71.4 16.3,71.1 ; 16,71.4 16,73.95 ; 16,71.4 16.3,71.1 ; 16.3,71.1 17.5,71.1 ; 16.3,71.1 17.5,71.1 ; 16.3,71.1 17.5,71.1 ; 16.3,71.1 17.5,71.1 ; 17.5,71.1 17.6,71 ; 17.5,71.1 17.6,71 ; 17.5,71.1 17.6,71 ; 17.5,71.1 17.6,71 ; U2.3 17.6,71 ; U2.3 17.6,71 ; U2.3 17.6,71 ; U2.3 17.6,71 ; 46.55,74.5 X1#2.1 ; 46.55,74.5 46,73.95 ; 46.55,74.5 46,73.95 ; 46.55,74.5 X1#2.1 ; 46.55,74.5 X1#2.1 ; 46.55,74.5 46,73.95 ; 46.55,74.5 X1#2.1 ; 46.55,74.5 46,73.95 ; X1#2.1 R5#2.2 ; X1#2.1 R5#2.2 ; X1#2.1 R5#2.2 ; X1#2.1 R5#2.2 ; 46,71.4 46,73.95 ; 46,71.4 46.3,71.1 ; 46,71.4 46.3,71.1 ; 46,71.4 46,73.95 ; 46,71.4 46,73.95 ; 46,71.4 46.3,71.1 ; 46,71.4 46.3,71.1 ; 46,71.4 46,73.95 ; 46.3,71.1 47.5,71.1 ; 46.3,71.1 47.5,71.1 ; 46.3,71.1 47.5,71.1 ; 46.3,71.1 47.5,71.1 ; 47.5,71.1 47.6,71 ; 47.5,71.1 47.6,71 ; 47.5,71.1 47.6,71 ; 47.5,71.1 47.6,71 ; U2#2.3 47.6,71 ; U2#2.3 47.6,71 ; U2#2.3 47.6,71 ; U2#2.3 47.6,71 ; 76.55,74.5 X1#3.1 ; 76.55,74.5 76,73.95 ; 76.55,74.5 76,73.95 ; 76.55,74.5 X1#3.1 ; 76.55,74.5 X1#3.1 ; 76.55,74.5 76,73.95 ; 76.55,74.5 X1#3.1 ; 76.55,74.5 76,73.95 ; X1#3.1 R5#3.2 ; X1#3.1 R5#3.2 ; X1#3.1 R5#3.2 ; X1#3.1 R5#3.2 ; 76,71.4 76,73.95 ; 76,71.4 76.3,71.1 ; 76,71.4 76.3,71.1 ; 76,71.4 76,73.95 ; 76,71.4 76,73.95 ; 76,71.4 76.3,71.1 ; 76,71.4 76,73.95 ; 76,71.4 76.3,71.1 ; 76.3,71.1 77.5,71.1 ; 76.3,71.1 77.5,71.1 ; 76.3,71.1 77.5,71.1 ; 76.3,71.1 77.5,71.1 ; 77.5,71.1 77.6,71 ; 77.5,71.1 77.6,71 ; 77.5,71.1 77.6,71 ; 77.5,71.1 77.6,71 ; U2#3.3 77.6,71 ; U2#3.3 77.6,71 ; U2#3.3 77.6,71 ; U2#3.3 77.6,71 ; 106.55,74.5 X1#4.1 ; 106.55,74.5 106,73.95 ; 106.55,74.5 106,73.95 ; 106.55,74.5 X1#4.1 ; 106.55,74.5 X1#4.1 ; 106.55,74.5 106,73.95 ; 106.55,74.5 106,73.95 ; 106.55,74.5 X1#4.1 ; X1#4.1 R5#4.2 ; X1#4.1 R5#4.2 ; X1#4.1 R5#4.2 ; X1#4.1 R5#4.2 ; 106,71.4 106,73.95 ; 106,71.4 106.3,71.1 ; 106,71.4 106.3,71.1 ; 106,71.4 106,73.95 ; 106,71.4 106,73.95 ; 106,71.4 106.3,71.1 ; 106,71.4 106,73.95 ; 106,71.4 106.3,71.1 ; 106.3,71.1 107.5,71.1 ; 106.3,71.1 107.5,71.1 ; 106.3,71.1 107.5,71.1 ; 106.3,71.1 107.5,71.1 ; 107.5,71.1 107.6,71 ; 107.5,71.1 107.6,71 ; 107.5,71.1 107.6,71 ; 107.5,71.1 107.6,71 ; U2#4.3 107.6,71 ; U2#4.3 107.6,71 ; U2#4.3 107.6,71 ; U2#4.3 107.6,71 ; 136.55,74.5 X1#5.1 ; 136.55,74.5 136,73.95 ; 136.55,74.5 136,73.95 ; 136.55,74.5 X1#5.1 ; 136.55,74.5 X1#5.1 ; 136.55,74.5 136,73.95 ; 136.55,74.5 136,73.95 ; 136.55,74.5 X1#5.1 ; X1#5.1 R5#5.2 ; X1#5.1 R5#5.2 ; X1#5.1 R5#5.2 ; X1#5.1 R5#5.2 ; 136,71.4 136,73.95 ; 136,71.4 136.3,71.1 ; 136,71.4 136.3,71.1 ; 136,71.4 136,73.95 ; 136,71.4 136,73.95 ; 136,71.4 136.3,71.1 ; 136,71.4 136,73.95 ; 136,71.4 136.3,71.1 ; 136.3,71.1 137.5,71.1 ; 136.3,71.1 137.5,71.1 ; 136.3,71.1 137.5,71.1 ; 136.3,71.1 137.5,71.1 ; 137.5,71.1 137.6,71 ; 137.5,71.1 137.6,71 ; 137.5,71.1 137.6,71 ; 137.5,71.1 137.6,71 ; U2#5.3 137.6,71 ; U2#5.3 137.6,71 ; U2#5.3 137.6,71 ; U2#5.3 137.6,71 ; U2#37.3 137.6,19 ; U2#37.3 137.6,19 ; U2#37.3 137.6,19 ; U2#37.3 137.6,19 ; 137.6,19 137.5,19.1 ; 137.6,19 137.5,19.1 ; 137.6,19 137.5,19.1 ; 137.6,19 137.5,19.1 ; 136,19.4 136,21.95 ; 136,19.4 136.3,19.1 ; 136,19.4 136,21.95 ; 136,19.4 136,21.95 ; 136,19.4 136.3,19.1 ; 136,19.4 136.3,19.1 ; 136,19.4 136,21.95 ; 136,19.4 136.3,19.1 ; 136,21.95 136.55,22.5 ; 136,21.95 136.55,22.5 ; 136,21.95 136.55,22.5 ; 136,21.95 136.55,22.5 ; 136.3,19.1 137.5,19.1 ; 136.3,19.1 137.5,19.1 ; 136.3,19.1 137.5,19.1 ; 136.3,19.1 137.5,19.1 ; 136.55,22.5 X1#33.1 ; 136.55,22.5 X1#33.1 ; 136.55,22.5 X1#33.1 ; 136.55,22.5 X1#33.1 ; X1#33.1 R5#33.2 ; X1#33.1 R5#33.2 ; X1#33.1 R5#33.2 ; X1#33.1 R5#33.2 ; 106.3,19.1 106,19.4 ; 106.3,19.1 106,19.4 ; 106.3,19.1 107.5,19.1 ; 106.3,19.1 106,19.4 ; 106.3,19.1 106,19.4 ; 106.3,19.1 107.5,19.1 ; 106.3,19.1 107.5,19.1 ; 106.3,19.1 107.5,19.1 ; 106,19.4 106,21.95 ; 106,19.4 106,21.95 ; 106,19.4 106,21.95 ; 106,19.4 106,21.95 ; 107.5,19.1 107.6,19 ; 107.5,19.1 107.6,19 ; 107.5,19.1 107.6,19 ; 107.5,19.1 107.6,19 ; U2#33.3 107.6,19 ; U2#33.3 107.6,19 ; U2#33.3 107.6,19 ; U2#33.3 107.6,19 ; 106,21.95 106.55,22.5 ; 106,21.95 106.55,22.5 ; 106,21.95 106.55,22.5 ; 106,21.95 106.55,22.5 ; 106.55,22.5 X1#37.1 ; 106.55,22.5 X1#37.1 ; 106.55,22.5 X1#37.1 ; 106.55,22.5 X1#37.1 ; X1#37.1 R5#37.2 ; X1#37.1 R5#37.2 ; X1#37.1 R5#37.2 ; X1#37.1 R5#37.2 ; R5#21.2 X1#21.1 ; R5#21.2 X1#21.1 ; R5#21.2 X1#21.1 ; R5#21.2 X1#21.1 ; X1#21.1 76.55,22.5 ; X1#21.1 76.55,22.5 ; X1#21.1 76.55,22.5 ; X1#21.1 76.55,22.5 ; 77.5,19.1 76.3,19.1 ; 77.5,19.1 76.3,19.1 ; 77.5,19.1 76.3,19.1 ; 77.5,19.1 76.3,19.1 ; 77.5,19.1 77.6,19 ; 77.5,19.1 77.6,19 ; 77.5,19.1 77.6,19 ; 77.5,19.1 77.6,19 ; 76.3,19.1 76,19.4 ; 76.3,19.1 76,19.4 ; 76.3,19.1 76,19.4 ; 76.3,19.1 76,19.4 ; 76,19.4 76,21.95 ; 76,19.4 76,21.95 ; 76,19.4 76,21.95 ; 76,19.4 76,21.95 ; 77.6,19 U2#21.3 ; 77.6,19 U2#21.3 ; 77.6,19 U2#21.3 ; 77.6,19 U2#21.3 ; 76,21.95 76.55,22.5 ; 76,21.95 76.55,22.5 ; 76,21.95 76.55,22.5 ; 76,21.95 76.55,22.5 ; U2#26.3 47.6,19 ; U2#26.3 47.6,19 ; U2#26.3 47.6,19 ; U2#26.3 47.6,19 ; 47.6,19 47.5,19.1 ; 47.6,19 47.5,19.1 ; 47.6,19 47.5,19.1 ; 47.6,19 47.5,19.1 ; 47.5,19.1 46.3,19.1 ; 47.5,19.1 46.3,19.1 ; 47.5,19.1 46.3,19.1 ; 47.5,19.1 46.3,19.1 ; 46.3,19.1 46,19.4 ; 46.3,19.1 46,19.4 ; 46.3,19.1 46,19.4 ; 46.3,19.1 46,19.4 ; 46,19.4 46,21.95 ; 46,19.4 46,21.95 ; 46,19.4 46,21.95 ; 46,19.4 46,21.95 ; 46,21.95 46.55,22.5 ; 46,21.95 46.55,22.5 ; 46,21.95 46.55,22.5 ; 46,21.95 46.55,22.5 ; R5#29.2 X1#29.1 ; R5#29.2 X1#29.1 ; R5#29.2 X1#29.1 ; R5#29.2 X1#29.1 ; X1#29.1 46.55,22.5 ; X1#29.1 46.55,22.5 ; X1#29.1 46.55,22.5 ; X1#29.1 46.55,22.5 ; R5#22.2 X1#22.1 ; R5#22.2 X1#22.1 ; R5#22.2 X1#22.1 ; R5#22.2 X1#22.1 ; X1#22.1 16.55,22.5 ; X1#22.1 16.55,22.5 ; X1#22.1 16.55,22.5 ; X1#22.1 16.55,22.5 ; 16.55,22.5 16,21.95 ; 16.55,22.5 16,21.95 ; 16.55,22.5 16,21.95 ; 16.55,22.5 16,21.95 ; 16.3,19.1 16,19.4 ; 16.3,19.1 17.5,19.1 ; 16.3,19.1 16,19.4 ; 16.3,19.1 16,19.4 ; 16.3,19.1 16,19.4 ; 16.3,19.1 17.5,19.1 ; 16.3,19.1 17.5,19.1 ; 16.3,19.1 17.5,19.1 ; 16,19.4 16,21.95 ; 16,19.4 16,21.95 ; 16,19.4 16,21.95 ; 16,19.4 16,21.95 ; 17.5,19.1 17.6,19 ; 17.5,19.1 17.6,19 ; 17.5,19.1 17.6,19 ; 17.5,19.1 17.6,19 ; U2#25.3 17.6,19 ; U2#25.3 17.6,19 ; U2#25.3 17.6,19 ; U2#25.3 17.6,19
